# Altium PCB relay_matrix.PcbDoc (part 3 of 5)
Units mm, origin at the board's own origin, x right, y up, seen from the top; angles counter-clockwise.
Board outline 330 x 220 mm, 2 copper layers (Top Layer, Bottom Layer); 560 components, 391 nets, 2127 pads, 727 vias.
Unrouted connection lines stored in the file: 345.
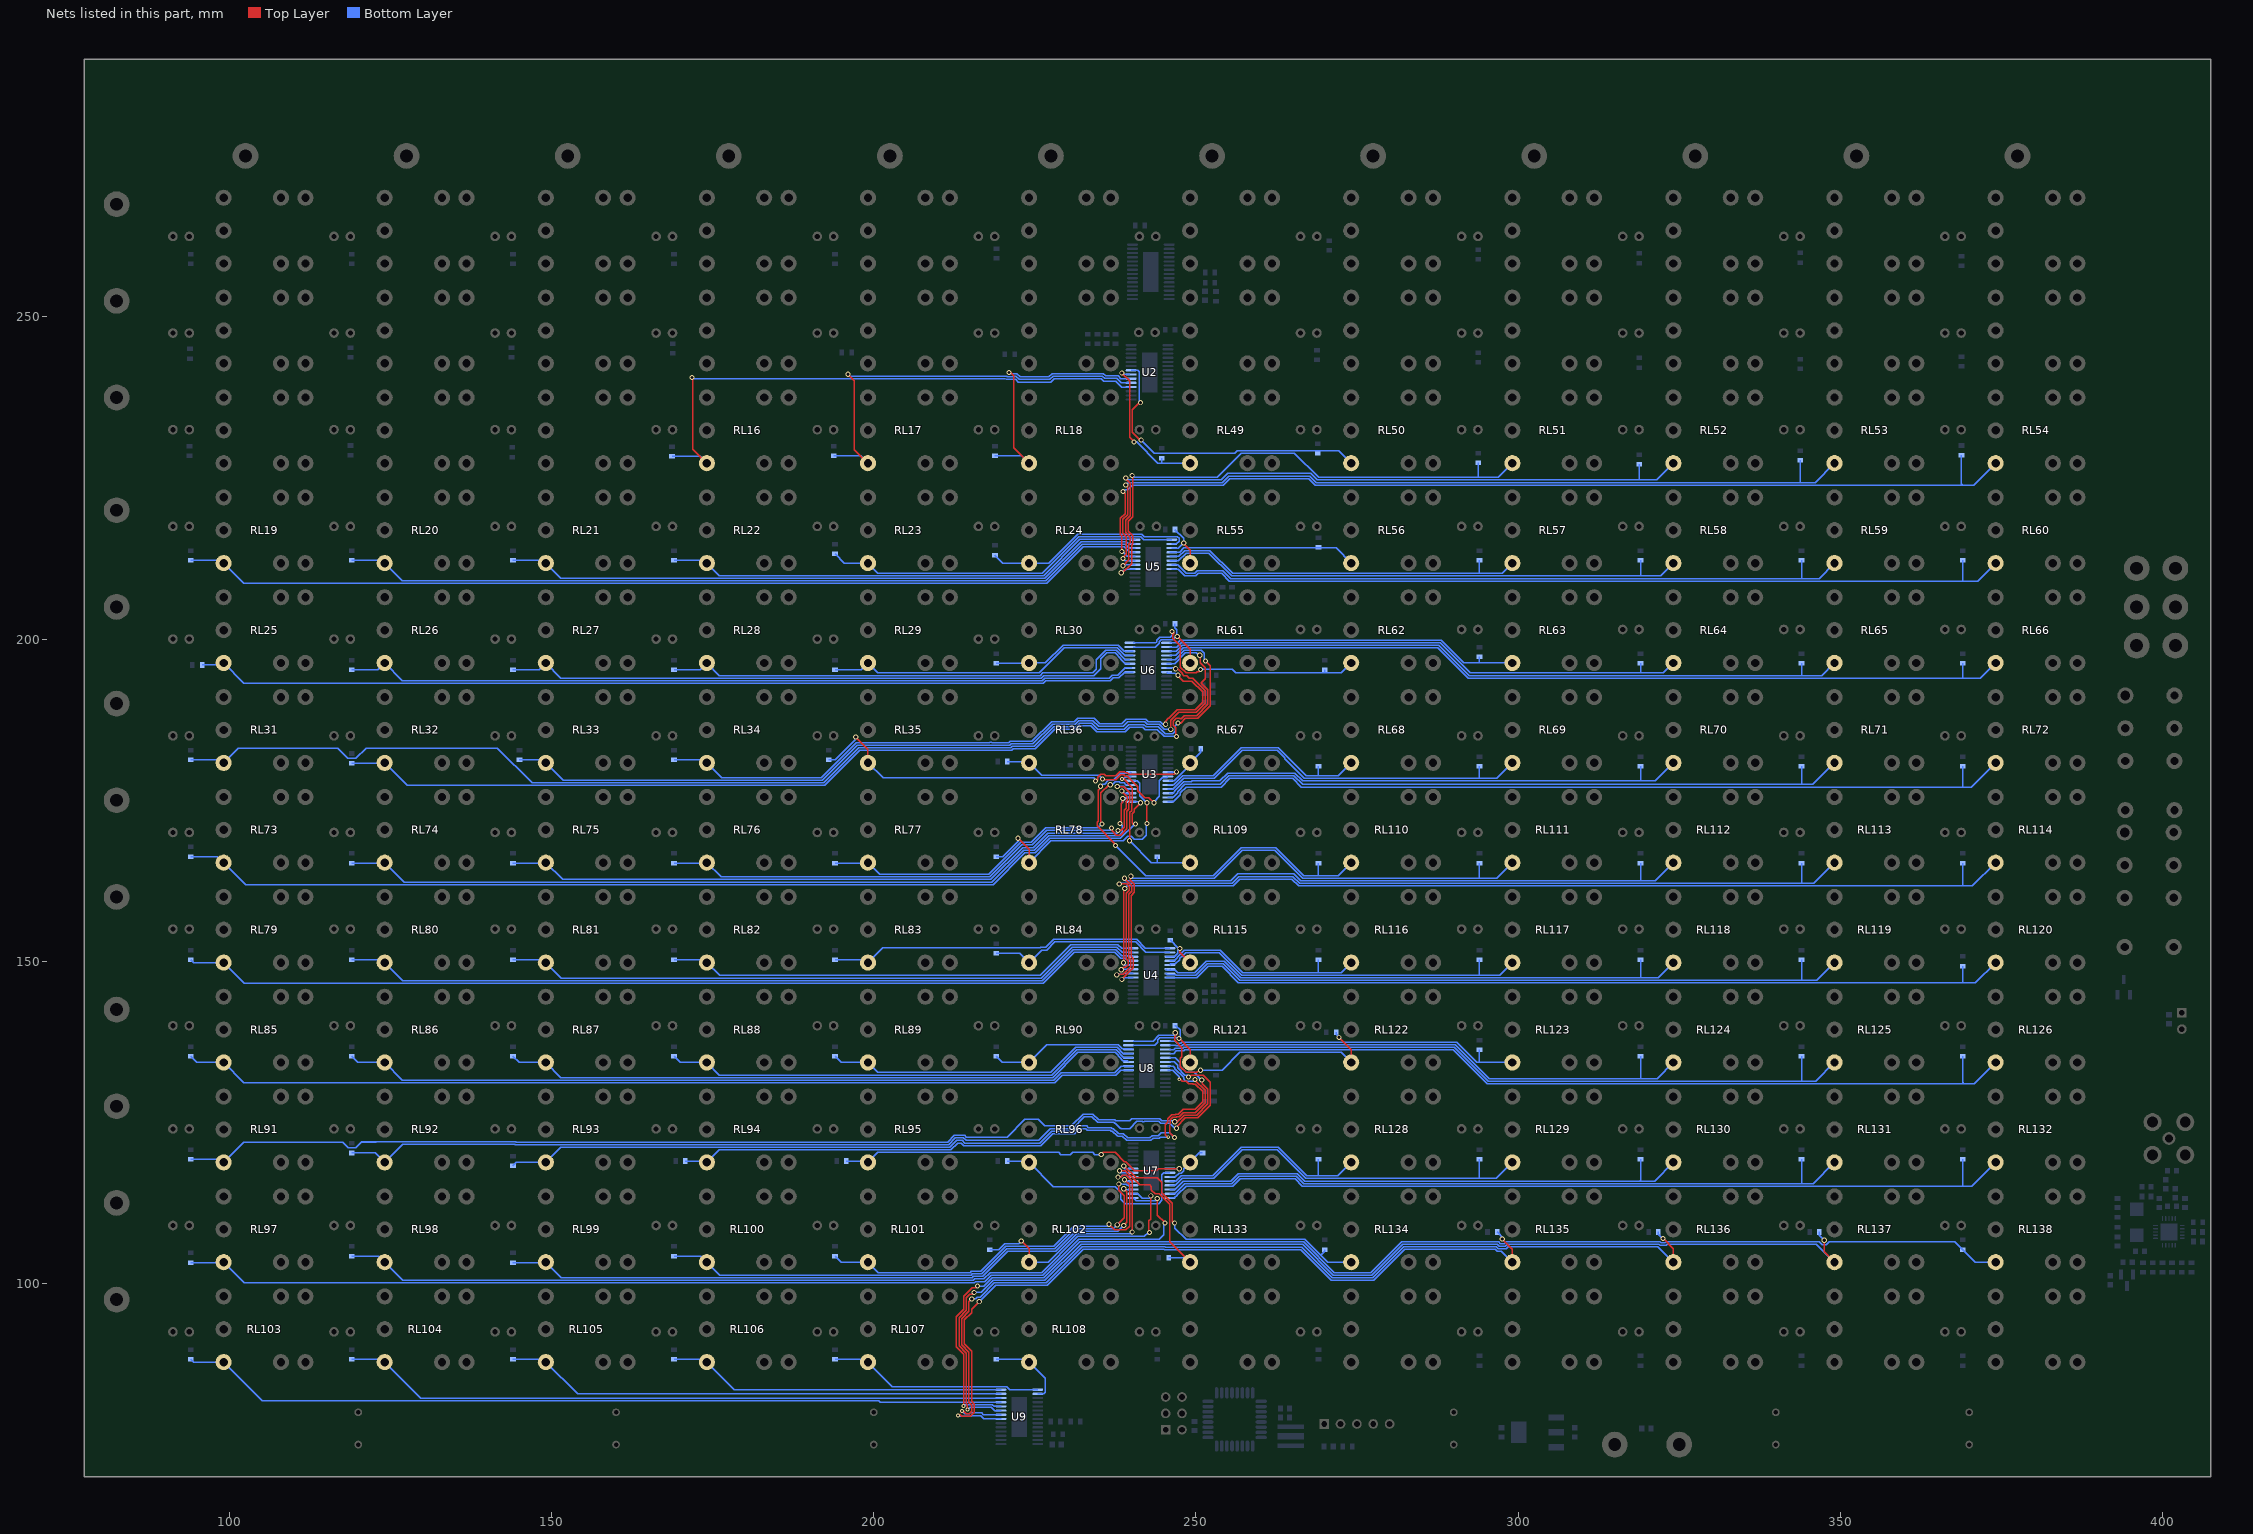
[diagram p3: the nets of this part, all layers, seen from the top]

## Via types
v1: diameter 0.8, hole 0.5, Top Layer to Bottom Layer, tented both sides, 222 vias
v2: diameter 0.8, hole 0.5, Top Layer to Bottom Layer, 209 vias
v3: diameter 0.6, hole 0.3, Top Layer to Bottom Layer, 179 vias
v4: diameter 0.5, hole 0.3, Top Layer to Bottom Layer, 108 vias
v5: diameter 7, hole 5, Top Layer to Bottom Layer, 6 vias
v6: diameter 1.5, hole 1, Top Layer to Bottom Layer, 3 vias

## Nets (pads, with @x,y where several pads share a name; then routed paths per layer and width w, separated by ;. In a path a pad name is that pad's centre, name@x,y a point inside that pad or via, vN(x,y) a via of type N, cw(c..) or ccw(c..) an arc to the next point about the centre after c; other vN are vias at no path point) (continued)
CONTROL_27: R16.1 RL16.3 U2.18 | length 89.5
  Top Layer w0.2: v2(171.8,240.6) 171.9,240.7 171.9,229.5 RL16.3@174.1,227.3
  Bottom Layer w0.2: R16.1@168.7,228.35 173.05,228.35 RL16.3@174.1,227.3 ; v2(171.8,240.6) 171.9,240.7 v2(171.8,240.6) 172,240.4 220.443,240.4 220.544,240.3 221.997,240.3 222.397,239.9 227.503,239.9 228.003,240.4 235.311,240.4 235.661,240.05 237.573,240.05 238.498,239.125 U2.18@239.75,239.125
CONTROL_28: R17.1 RL17.3 U2.19 | length 65.7
  Top Layer w0.2: v2(196,241.1) 197,240.1 197,229.4 RL17.3@199.1,227.3
  Bottom Layer w0.2: R17.1@193.8,228.45 197.95,228.45 RL17.3@199.1,227.3 ; v2(196,241.1) 196.3,240.8 220.609,240.8 220.71,240.7 221.79,240.7 221.89,240.8 222.063,240.8 222.563,240.3 227.337,240.3 227.837,240.8 235.477,240.8 235.827,240.45 237.739,240.45 238.414,239.775 U2.19@239.75,239.775
CONTROL_29: R18.1 RL18.3 U2.20 | length 41.1
  Top Layer w0.2: v2(221,241.4) 221.1,241.5 221.7,240.9 221.7,229.7 RL18.3@224.1,227.3
  Bottom Layer w0.2: R18.1@218.8,228.45 222.95,228.45 RL18.3@224.1,227.3 ; v2@221.1,241.5 v2(221,241.4) 221.199,241.2 222.228,241.2 222.728,240.7 227.172,240.7 227.672,241.2 235.642,241.2 235.992,240.85 237.905,240.85 238.33,240.425 U2.20@239.75,240.425
CONTROL_30: R49.1 RL49.3 U2.21 | length 23.7
  Top Layer w0.2: v2@238.5,241.3 239.7,240.1 239.7,231.3 v2(240.4,230.6)
  Bottom Layer w0.2: v2(238.5,241.3) 238.725,241.075 U2.21@239.75,241.075 ; v2(240.4,230.6) 240.81,230.6 244.11,227.3 244.7,227.3 ; R49.1@244.7,228.1 244.7,227.3 ; RL49.3@249.1,227.3 244.7,227.3
CONTROL_31: R50.1 RL50.3 U2.22 | length 47.6
  Top Layer w0.2: v2@241.2,236.7 240.1,235.6 240.1,232.145 241.345,230.9 v2(241.5,230.9)
  Bottom Layer w0.2: U2.22@239.95,241.725 240.975,241.725 241.2,241.5 v2@241.2,236.7 ; v2(241.5,230.9) 243.55,228.85 ; 243.7,228.85 243.55,228.85 ; RL50.3@274.1,227.3 272.15,229.25 256.45,229.25 256.05,228.85 243.55,228.85
  other v2: 241.4,236.7
CONTROL_32: R51.1 RL51.3 U5.7 | length 84.4
  Top Layer w0.2: v2(238.4,210.3) 238.59,210.3 240,211.71 240,214.608 240.2,214.808 240.2,216.014 239.48,216.734 239.48,218.266 240.2,218.986 240.2,225.3 v2(240.1,225.4)
  Bottom Layer w0.2: v2(238.4,210.3) 238.8,210.7 239,210.7 239.175,210.875 U5.7@240.55,210.875 ; v2(240.1,225.4) 240.4,225.1 253.3,225.1 257.05,228.85 265.278,228.85 269.028,225.1 293.8,225.1 ; R51.1@293.8,227.35 293.8,225.1 ; RL51.3@299.1,227.3 296.9,225.1 293.8,225.1
CONTROL_33: R52.1 RL52.3 U5.8 | length 106.3
  Top Layer w0.2: v2(238.7,211.4) 239.6,212.3 239.6,214.774 239.8,214.974 239.8,215.848 239.08,216.568 239.08,218.432 239.8,219.152 239.8,224.19 239.1,224.89 v2(239.1,225)
  Bottom Layer w0.2: v2(238.7,211.4) 238.825,211.525 U5.8@240.55,211.525 ; v2(239.1,225) 239.399,224.7 253.919,224.7 254.933,225.714 267.849,225.714 268.863,224.7 318.8,224.7 ; R52.1@318.8,227.15 318.8,224.7 ; RL52.3@324.1,227.3 321.5,224.7 318.8,224.7
CONTROL_34: R53.1 RL53.3 U5.9 | length 130
  Top Layer w0.2: v2(238.7,212.5) 238.7,212.71 239.2,213.21 239.2,215.882 238.68,216.402 238.68,218.598 239.4,219.318 239.4,223.7 239.2,223.9 v2(239.1,223.9)
  Bottom Layer w0.2: v2(238.7,212.5) 239.025,212.175 U5.9@240.55,212.175 ; v2(239.1,223.9) 239.5,224.3 254.085,224.3 255.099,225.314 267.683,225.314 268.697,224.3 343.8,224.3 ; R53.1@343.8,227.75 343.8,224.3 ; RL53.3@349.1,227.3 346.1,224.3 343.8,224.3
CONTROL_35: R54.1 RL54.3 U5.10 | length 155
  Top Layer w0.2: v2(238.5,213.6) 238.5,216.017 238.28,216.237 238.28,218.763 239,219.483 239,222.599 v2(238.7,222.9)
  Bottom Layer w0.2: v2(238.5,213.6) 238.6,213.6 239.375,212.825 U5.10@240.55,212.825 ; v2(238.7,222.9) 239,223.2 239.39,223.2 240.09,223.9 240.6,223.9 243.5,223.9 254.25,223.9 255.264,224.914 267.517,224.914 268.531,223.9 369,223.9 ; R54.1@368.8,228.55 368.8,224.1 369,223.9 ; RL54.3@374.1,227.3 370.7,223.9 369,223.9
CONTROL_36: R19.1 RL19.3 U5.11 | length 150.7
  Bottom Layer w0.2: R19.1@94,212.25 98.65,212.25 RL19.3@99.1,211.8 102.25,208.65 226.847,208.65 232.497,214.3 238.89,214.3 239.715,213.475 U5.11@240.55,213.475
CONTROL_37: R20.1 RL20.3 U5.12 | length 125.5
  Bottom Layer w0.2: R20.1@119,212.25 123.65,212.25 RL20.3@124.1,211.8 126.85,209.05 226.681,209.05 232.331,214.7 239.056,214.7 239.631,214.125 U5.12@240.55,214.125
CONTROL_38: R21.1 RL21.3 U5.13 | length 100.2
  Bottom Layer w0.2: R21.1@144,212.25 148.65,212.25 RL21.3@149.1,211.8 151.45,209.45 226.516,209.45 232.166,215.1 239.221,215.1 239.546,214.775 U5.13@240.55,214.775
CONTROL_39: R22.1 RL22.3 U5.14 | length 74.9
  Bottom Layer w0.2: R22.1@169,212.25 173.65,212.25 RL22.3@174.1,211.8 176.05,209.85 226.35,209.85 232,215.5 240.475,215.5 U5.14@240.55,215.425
CONTROL_40: R23.1 RL23.3 U5.15 | length 56
  Bottom Layer w0.2: R23.1@194,213.25 195.45,211.8 RL23.3@199.1,211.8 200.65,210.25 226.184,210.25 231.834,215.9 241.422,215.9 241.897,215.425 U5.15@246.25,215.425
CONTROL_41: R24.1 RL24.3 U5.16 | length 33
  Bottom Layer w0.2: R24.1@218.8,213.05 220.05,211.8 RL24.3@224.1,211.8 227.169,211.8 231.669,216.3 241.587,216.3 241.987,215.9 247.122,215.9 247.4,215.622 247.4,215.4 247.4,215.228 247.3,215.128 247.3,215.1 246.975,214.775 U5.16@246.25,214.775
CONTROL_42: R55.1 RL55.3 U5.17 | length 8.3
  Top Layer w0.2: v2(248.1,214.9) 248.1,214.8 249.1,213.799 RL55.3@249.1,211.8
  Bottom Layer w0.2: U5.17@246.25,214.125 247.225,214.125 248,214.9 v2(248.1,214.9) 248.1,215.65 R55.1@246.75,217
CONTROL_43: R56.1 RL56.3 U5.18 | length 29.4
  Bottom Layer w0.2: U5.18@245.95,213.475 247.452,213.475 248.127,214.15 271.75,214.15 RL56.3@274.1,211.8
CONTROL_44: R57.1 RL57.3 U5.19 | length 57.7
  Bottom Layer w0.2: U5.19@245.95,212.825 247.367,212.825 248.292,213.75 252.15,213.75 255.7,210.2 294,210.2 ; R57.1@294,212.25 294,210.2 ; RL57.3@299.1,211.8 297.5,210.2 294,210.2
CONTROL_45: R58.1 RL58.3 U5.20 | length 83.4
  Bottom Layer w0.2: U5.20@245.95,212.175 247.283,212.175 248.458,213.35 251.984,213.35 255.534,209.8 319,209.8 ; R58.1@319,212.25 319,209.8 ; RL58.3@324.1,211.8 322.1,209.8 319,209.8
CONTROL_46: R59.1 RL59.3 U5.21 | length 107.9
  Bottom Layer w0.2: U5.21@246.25,211.525 247.183,211.525 248.458,210.25 249.829,210.25 250.178,210.6 254.169,210.6 255.369,209.4 344.1,209.4 ; R59.1@344,212.25 344,209.5 344.1,209.4 ; RL59.3@349.1,211.8 346.7,209.4 344.1,209.4
CONTROL_47: R60.1 RL60.3 U5.22 | length 133.4
  Bottom Layer w0.2: U5.22@246.25,210.875 247.267,210.875 248.292,209.85 249.994,209.85 250.344,210.2 254.003,210.2 255.203,209 369.1,209 ; R60.1@369,212.25 369,209.1 369.1,209 ; RL60.3@374.1,211.8 371.3,209 369.1,209
CONTROL_48: R25.1 RL25.3 U6.7 | length 146.6
  Bottom Layer w0.2: R25.1@95.75,196 98.8,196 RL25.3@99.1,196.3 102.25,193.15 226.313,193.15 226.713,193.55 236.736,193.55 237.185,194 238.051,194 238.926,194.875 U6.7@240.25,194.875
CONTROL_49: R26.1 RL26.3 U6.8 | length 123.4
  Bottom Layer w0.2: R26.1@119,195.25 123.05,195.25 RL26.3@124.1,196.3 126.85,193.55 226.147,193.55 226.547,193.95 236.57,193.95 237.02,194.4 237.885,194.4 239.011,195.525 U6.8@240.05,195.525
CONTROL_50: R27.1 RL27.3 U6.9 | length 100.4
  Bottom Layer w0.2: R27.1@144,195.25 148.05,195.25 RL27.3@149.1,196.3 151.45,193.95 225.981,193.95 226.381,194.35 234.166,194.35 235.25,195.434 235.25,196.942 236.158,197.85 237.442,197.85 238.35,196.942 238.35,196.878 239.053,196.175 U6.9@239.75,196.175
CONTROL_51: R28.1 RL28.3 U6.10 | length 75.1
  Bottom Layer w0.2: R28.1@169,195.25 173.05,195.25 RL28.3@174.1,196.3 176.05,194.35 225.816,194.35 226.216,194.75 234,194.75 234.55,195.3 234.55,196.808 235.992,198.25 237.608,198.25 239.033,196.825 U6.10@239.75,196.825
CONTROL_52: R29.1 RL29.3 U6.11 | length 49.4
  Bottom Layer w0.2: R29.1@194,195.25 198.05,195.25 RL29.3@199.1,196.3 200.65,194.75 225.65,194.75 229.55,198.65 237.773,198.65 238.948,197.475 U6.11@240.25,197.475
CONTROL_53: R30.1 RL30.3 U6.12 | length 22.8
  Bottom Layer w0.2: R30.1@219,196.25 224.05,196.25 RL30.3@224.1,196.3 226.634,196.3 229.384,199.05 237.939,199.05 238.864,198.125 U6.12@240.25,198.125
CONTROL_54: R61.1 RL61.3 U6.13 | length 14.7
  Top Layer w0.2: v2@247.3,200.2 249.1,198.399 RL61.3@249.1,196.3
  Bottom Layer w0.2: U6.13@240.25,198.775 243.7,198.775 244.3,199.375 244.3,199.622 244.578,199.9 246.4,199.9 v2@247,200.5 ; R61.1@246.75,202.4 246.75,201.74 247,201.49 v2@247,200.5 ; v2@247,200.499 v2(247.1,200.4) 247.1,200.6 v2@247,200.5
CONTROL_55: R62.1 RL62.3 U6.14 | length 42.1
  Top Layer w0.2: v2(246.3,201.2) 246.6,200.9 246.6,200.89 246.4,200.69 246.4,200.11 247.55,198.959 247.55,195.658 248.458,194.75 250.06,194.75 250.21,194.9 250.4,194.9 250.716,195.216 v2(250.716,195.3)
  Bottom Layer w0.2: U6.14@240.25,199.425 243.784,199.425 243.9,199.541 243.9,199.787 244.413,200.3 246,200.3 246.3,200.6 v2(246.3,201.2) ; v2(250.716,195.3) 255.65,195.3 256.2,194.75 270.1,194.75 ; R62.1@270,195.25 270,194.85 270.1,194.75 ; RL62.3@274.1,196.3 272.55,194.75 270.1,194.75
CONTROL_56: R63.1 RL63.3 U6.15 | length 55.6
  Bottom Layer w0.2: U6.15@245.95,199.425 245.975,199.45 247.14,199.45 247.54,199.85 288.047,199.85 291.597,196.3 RL63.3@299.1,196.3 ; 294,196.4 R63.1@294,197.25
CONTROL_57: R64.1 RL64.3 U6.16 | length 82.6
  Bottom Layer w0.2: U6.16@245.95,198.775 247.031,198.775 247.706,199.45 287.881,199.45 292.581,194.75 319.1,194.75 ; R64.1@319,196.25 319,194.85 319.1,194.75 ; RL64.3@324.1,196.3 322.55,194.75 319.1,194.75
CONTROL_58: R65.1 RL65.3 U6.17 | length 108.2
  Bottom Layer w0.2: U6.17@245.95,198.125 246.946,198.125 247.871,199.05 287.716,199.05 292.416,194.35 344,194.35 347.15,194.35 RL65.3@349.1,196.3 ; 344,194.35 R65.1@344,196.25
CONTROL_59: R66.1 RL66.3 U6.18 | length 133.9
  Bottom Layer w0.2: U6.18@245.95,197.475 246.862,197.475 248.037,198.65 287.55,198.65 292.25,193.95 368.9,193.95 ; R66.1@369,196.25 369,194.05 368.9,193.95 ; RL66.3@374.1,196.3 371.75,193.95 368.9,193.95
CONTROL_60: R31.1 RL31.3 U6.19 | length 185.6
  Top Layer w0.2: v2(247.2,187) 247.2,186.969 247.18,186.95 247.604,186.95 248.354,187.7 250.255,187.7 252.25,189.695 252.25,195.849 v2(251.499,196.6)
  Bottom Layer w0.2: R31.1@94,181.25 98.65,181.25 RL31.3@99.1,180.8 101.4,183.1 116.8,183.1 118.4,181.5 119.6,181.5 121.2,183.1 141.6,183.1 147,177.7 192.234,177.7 197.684,183.15 221.277,183.15 221.477,183.35 224.873,183.35 227.923,186.4 231.427,186.4 231.977,186.95 233.85,186.95 234.75,186.05 238.85,186.05 239.55,186.75 241.913,186.75 242.263,186.4 244.121,186.4 245.221,185.3 246.39,185.3 246.8,185.71 246.8,186.59 247.16,186.95 247.18,186.95 247.2,186.969 v2(247.2,187) ; U6.19@245.45,196.825 246.778,196.825 248.203,198.25 250.839,198.25 251.299,197.79 251.299,196.8 v2(251.499,196.6)
CONTROL_61: R32.1 RL32.3 U6.20 | length 158.4
  Top Layer w0.2: v2(247,184.9) 247.1,184.9 246.87,185.129 246.87,186.27 246.48,186.66 246.48,187.27 246.91,187.7 247.489,187.7 247.539,187.65 247.739,187.65 248.189,188.1 250.089,188.1 251.85,189.861 251.85,192.139 250.8,193.189 250.8,193.2 251.416,193.816 251.416,195.59 250.65,196.355 250.65,197.449 v2(250.599,197.5)
  Bottom Layer w0.2: R32.1@119,180.75 124.05,180.75 RL32.3@124.1,180.8 127.6,177.3 192.4,177.3 197.85,182.75 221.443,182.75 221.643,182.95 225.039,182.95 228.089,186 231.593,186 232.143,186.55 233.684,186.55 234.584,185.65 239.016,185.65 239.716,186.35 241.747,186.35 242.147,185.95 244.005,185.95 245.055,184.9 v2(247,184.9) ; U6.20@245.45,196.175 246.693,196.175 248.368,197.85 250.05,197.85 250.4,197.5 v2(250.599,197.5)
CONTROL_62: R33.1 RL33.3 U6.21 | length 124.9
  Top Layer w0.2: v2@245.9,186.1 246,186 v2(246.1,186) ; v2@245.95,186.15 246.08,186.28 246.08,187.436 247.294,188.65 250.073,188.65 251.45,190.027 251.45,191.973 249.524,193.9 248.99,193.9 248.54,194.35 248.14,194.35 247.9,194.59 247.9,194.69 247.189,195.4 v2(246.85,195.4)
  Bottom Layer w0.2: R33.1@145,181.25 148.65,181.25 RL33.3@149.1,180.8 151.8,178.1 192,178.1 197.45,183.55 218.129,183.55 218.149,183.57 218.169,183.55 221.112,183.55 221.312,183.75 224.708,183.75 227.758,186.8 231.262,186.8 231.812,187.35 234.015,187.35 234.915,186.45 238.685,186.45 239.385,187.15 242.078,187.15 242.428,186.8 244.286,186.8 245.086,186 v2(246.1,186) ; U6.21@245.45,195.525 246.725,195.525 v2(246.85,195.4)
CONTROL_63: R34.1 RL34.3 U6.22 | length 98.1
  Top Layer w0.2: v2(245.3,186.8) 245.2,186.9 245.2,187.165 245.734,187.7 245.779,187.7 247.129,189.05 249.908,189.05 251.05,190.192 251.05,191.808 249.358,193.5 248,193.5 v2@247.4,194.1
  Bottom Layer w0.2: R34.1@169,181.25 173.65,181.25 RL34.3@174.1,180.8 176.4,178.5 191.834,178.5 197.284,183.95 217.963,183.95 217.983,183.97 218.315,183.97 218.335,183.95 220.946,183.95 221.146,184.15 224.542,184.15 227.592,187.2 231.096,187.2 231.646,187.75 234.181,187.75 235.081,186.85 238.519,186.85 239.219,187.55 242.244,187.55 242.594,187.2 244.452,187.2 244.852,186.8 v2(245.3,186.8) ; U6.22@245.45,194.875 245.625,194.7 246.8,194.7 ; v2@246.9,194.6 246.999,194.6 v2(247.2,194.4) ; v2@247.15,194.35 v2@247.4,194.1
CONTROL_64: R35.1 RL35.3 U3.7 | length 62.3
  Top Layer w0.2: v2(197.2,184.8) 199.1,182.899 RL35.3@199.1,180.8 ; v2(234.4,178) 234.499,177.9 234.8,178.2 234.8,178.59 235.21,179 235.789,179 235.989,178.8 237.578,178.8 238.166,179.388 238.956,179.388 239.044,179.3 239.355,179.3 239.655,179 246.6,179 246.995,179.395 v2(246.995,179.405)
  Bottom Layer w0.2: R35.1@193,181.25 194.019,181.25 197.119,184.35 ; v2(197.2,184.8) v2@197.3,184.699 ; RL35.3@199.1,180.8 201.45,178.45 234.15,178.45 234.4,178.2 v2(234.4,178) ; U3.7@245.65,179.325 246.915,179.325 v2(246.995,179.405)
CONTROL_65: R36.1 RL36.3 U3.8 | length 31.8
  Top Layer w0.2: v2(235.5,178.3) 235.599,178.2 237.544,178.2 238.331,178.988 238.79,178.988 239.044,178.734 239.355,178.734 241,177.089 241,176.454 242.054,175.4 242.7,175.4 v2(243.5,174.6)
  Bottom Layer w0.2: R36.1@220.75,181 223.9,181 RL36.3@224.1,180.8 226.05,178.85 234.949,178.85 v2(235.5,178.3) ; v2(243.5,174.6) 243.5,174.8 244.3,175.6 244.3,178.022 244.778,178.5 245.475,178.5 U3.8@245.65,178.675
CONTROL_66: R67.1 RL67.3 U3.9 | length 7.5
  Bottom Layer w0.2: U3.9@245.85,178.025 246.605,178.025 247.63,179.05 247.7,179.12 247.78,179.2 247.8,179.2 249.1,180.5 RL67.3@249.1,180.8 250.75,182.45 R67.1@250.75,183
CONTROL_67: R68.1 RL68.3 U3.10 | length 34.9
  Bottom Layer w0.2: U3.10@245.65,177.375 246.52,177.375 247.795,178.65 247.806,178.65 247.956,178.8 252.677,178.8 257.027,183.15 262.773,183.15 267.123,178.8 269,178.8 ; R68.1@269,180.25 269,178.8 ; RL68.3@274.1,180.8 272.1,178.8 269,178.8
CONTROL_68: R69.1 RL69.3 U3.11 | length 62.2
  Bottom Layer w0.2: U3.11@245.65,176.725 246.436,176.725 247.961,178.25 247.971,178.25 248.121,178.4 252.842,178.4 257.192,182.75 262.608,182.75 263.75,181.608 263.75,181.434 263.984,181.2 264,181.2 266.8,178.4 ; 268.3,178.4 266.8,178.4 ; R69.1@294,180.25 294,178.4 ; RL69.3@299.1,180.8 296.7,178.4 294,178.4 ; 266.8,178.4 294,178.4
CONTROL_69: R70.1 RL70.3 U3.12 | length 84.1
  Bottom Layer w0.2: U3.12@245.85,176.075 246.447,176.075 246.75,176.378 246.75,176.473 248.127,177.85 249.25,177.85 249.4,178 ; 250,178 249.4,178 ; R70.1@319,180.25 319,178 ; RL70.3@324.1,180.8 321.3,178 319,178 ; 249.4,178 253.719,178 254.933,179.214 265.349,179.214 266.563,178 319,178
CONTROL_70: R71.1 RL71.3 U3.13 | length 109.8
  Bottom Layer w0.2: U3.13@245.65,175.425 246.447,175.425 247.15,176.128 247.15,176.308 248.292,177.45 253.735,177.45 255.099,178.814 265.183,178.814 266.547,177.45 343.9,177.45 ; R71.1@344,180.25 344,177.55 343.9,177.45 ; RL71.3@349.1,180.8 345.75,177.45 343.9,177.45
CONTROL_71: R72.1 RL72.3 U3.14 | length 135.4
  Bottom Layer w0.2: U3.14@245.65,174.775 246.447,174.775 247.55,175.878 247.55,176.142 248.458,177.05 253.9,177.05 255.264,178.414 265.017,178.414 266.381,177.05 369,177.05 ; R72.1@369,180.25 369,177.05 ; RL72.3@374.1,180.8 370.35,177.05 369,177.05
CONTROL_72: R73.1 RL73.3 U3.15 | length 158
  Top Layer w0.2: v2(240.6,171.3) 240.3,171.3 240.1,171.499 240.1,172.934 240.4,173.234 240.4,173.6 v2(241.4,174.6)
  Bottom Layer w0.2: R73.1@94,166.25 98.15,166.25 RL73.3@99.1,165.3 102.5,161.9 212.5,161.9 218.508,161.9 223.458,166.85 225.084,166.85 227.334,169.1 238.279,169.1 240.479,171.3 v2(240.6,171.3) ; U3.15@239.95,174.775 241.225,174.775 v2(241.4,174.6)
CONTROL_73: R74.1 RL74.3 U3.16 | length 132.2
  Top Layer w0.2: v2(238.2,171.4) 238.4,171.6 238.4,174.483 238.65,174.734 v2(238.65,175.246)
  Bottom Layer w0.2: R74.1@119,165.25 124.05,165.25 RL74.3@124.1,165.3 127.1,162.3 218.342,162.3 223.292,167.25 224.919,167.25 227.169,169.5 238.09,169.5 238.6,170.01 238.6,170.999 v2(238.2,171.4) ; v2(238.65,175.246) 238.65,174.734 238.5,174.584 238.5,174.672 239.253,175.425 U3.16@239.95,175.425
CONTROL_74: R75.1 RL75.3 U3.17 | length 107.3
  Top Layer w0.2: v2(237.9,170.3) 238.39,170.3 238.9,170.81 238.9,173.431 239.2,173.731 239.2,174.806 239.35,174.956 239.35,175.566 v2(238.5,176.416)
  Bottom Layer w0.2: R75.1@144,165.25 149.05,165.25 RL75.3@149.1,165.3 151.7,162.7 218.177,162.7 223.127,167.65 224.753,167.65 227.003,169.9 234,169.9 237.7,169.9 238,170.2 v2(237.9,170.3) ; v2(238.5,176.416) 238.841,176.075 U3.17@239.95,176.075
CONTROL_75: R76.1 RL76.3 U3.18 | length 86.3
  Top Layer w0.2: v2(236.9,170.7) 236.9,170.3 237.6,169.6 238.3,169.6 239.3,170.6 239.3,173.266 239.6,173.566 239.6,174.64 239.75,174.79 239.75,176.156 238.79,177.116 237.883,177.116 237.8,177.2 v2(237.8,177.15)
  Bottom Layer w0.2: R76.1@169,165.25 174.05,165.25 RL76.3@174.1,165.3 176.3,163.1 218.011,163.1 222.961,168.05 224.587,168.05 226.837,170.3 236.7,170.3 237,170.6 v2(236.9,170.7) ; v2(237.8,177.15) v2@237.8,177.2 ; v2@237.8,177.2 238.778,177.2 239.253,176.725 U3.18@239.95,176.725
CONTROL_76: R77.1 RL77.3 U3.19 | length 55.9
  Top Layer w0.2: v2(235.4,171.3) 235.25,171.45 235.25,176.142 236.508,177.4 v2(236.7,177.4)
  Bottom Layer w0.2: R77.1@194,165.25 199.05,165.25 RL77.3@199.1,165.3 200.9,163.5 217.845,163.5 222.795,168.45 224.422,168.45 226.672,170.7 234.8,170.7 v2(235.4,171.3) ; v2(236.7,177.4) 237.01,177.4 237.46,177.85 238.089,177.85 238.262,177.677 238.867,177.677 239.144,177.4 239.925,177.4 U3.19@239.95,177.375
CONTROL_77: R78.1 RL78.3 U3.20 | length 39.9
  Top Layer w0.2: v2(222.4,169.1) 224.1,167.399 RL78.3@224.1,165.3 ; v2(242.4,171.4) v2(242.4,174.6)
  Bottom Layer w0.2: R78.1@219,166.25 220.03,166.25 222.6,168.82 222.6,168.899 v2(222.4,169.1) ; RL78.3@224.1,165.3 227.5,168.7 238.71,168.7 239.41,169.4 239.99,169.4 240.44,168.95 241.665,168.95 242.28,169.565 242.28,171.28 v2(242.4,171.4) ; U3.20@239.95,178.025 240.875,178.025 241.3,177.6 241.3,175.7 v2(242.4,174.6)
CONTROL_78: R109.1 RL109.3 U3.21 | length 24.3
  Top Layer w0.2: v3@238.627,178.473 240.15,176.949 240.15,174.625 240,174.475 240,173.4 239.7,173.1 v2(239.7,168.7)
  Bottom Layer w0.2: v3@238.542,178.388 238.5,178.346 238.5,178.1 239.075,178.675 U3.21@239.95,178.675 ; v2(239.7,168.7) 243.1,165.3 244,165.3 ; R109.1@244,166.25 244,165.3 ; RL109.3@249.1,165.3 244,165.3
  other v3: 238.5,178.3
CONTROL_79: R110.1 RL110.3 U3.22 | length 61.2
  Top Layer w0.2: v2(235.175,177.175) 235.175,176.865 234.85,176.54 234.85,171.74 234.7,171.59 234.7,171.01 237.51,168.2 v2(237.51,167.99)
  Bottom Layer w0.2: v2(235.175,177.175) 235.5,177.5 235.81,177.5 236.41,178.1 237.144,178.1 237.644,178.6 237.71,178.6 238.31,179.2 239.825,179.2 U3.22@239.95,179.325 ; v2(237.51,167.99) 242.2,163.3 252.677,163.3 257.027,167.65 262.366,167.65 266.716,163.3 268.9,163.3 ; R110.1@269,165.25 269,163.4 268.9,163.3 ; RL110.3@274.1,165.3 272.1,163.3 268.9,163.3
CONTROL_80: R111.1 RL111.3 U4.7 | length 85.8
  Top Layer w0.2: v2(238.5,147.2) 240.275,148.975 240.275,150.396 239.975,150.696 239.975,160.204 240.45,160.679 240.45,161.921 239.8,162.571 239.8,163.1 v2(239.9,163.2)
  Bottom Layer w0.2: v2(238.5,147.2) 238.5,147.3 238.675,147.475 U4.7@240.25,147.475 ; v2(239.9,163.2) 240.2,162.9 252.842,162.9 257.192,167.25 262.2,167.25 266.55,162.9 ; 266.8,162.9 266.55,162.9 ; R111.1@294,165.25 294,162.9 ; RL111.3@299.1,165.3 296.7,162.9 294,162.9 ; 266.55,162.9 294,162.9
CONTROL_81: R112.1 RL112.3 U4.8 | length 110.2
  Top Layer w0.2: v2(237.7,147.9) 237.8,148 238.689,148 239.875,149.185 239.875,150.231 239.575,150.531 239.575,160.369 240.05,160.844 240.05,161.756 238.906,162.9 v2(238.9,162.9)
  Bottom Layer w0.2: v2(237.7,147.9) 237.8,148 238.109,148 238.689,148 238.815,148.125 U4.8@240.25,148.125 ; v2(238.9,162.9) 238.9,162.6 239,162.5 255.437,162.5 256.487,163.55 265.213,163.55 266.263,162.5 319,162.5 ; R112.1@319,165.25 319,162.5 ; RL112.3@324.1,165.3 321.3,162.5 319,162.5
CONTROL_82: R113.1 RL113.3 U4.9 | length 133.8
  Top Layer w0.2: v2(238.1,162) 239.24,162 239.65,161.59 239.65,161.01 239.175,160.535 239.175,150.365 239.475,150.065 239.475,149.485 239.065,149.075 238.775,149.075 v2(238.4,148.7)
  Bottom Layer w0.2: v2(238.1,162) 238.2,162.1 255.603,162.1 256.653,163.15 265.047,163.15 266.097,162.1 344,162.1 ; v2(238.4,148.7) 238.4,148.75 238.425,148.775 U4.9@240.25,148.775 ; R113.1@344,165.25 344,162.1 ; RL113.3@349.1,165.3 345.9,162.1 344,162.1
CONTROL_83: R114.1 RL114.3 U4.10 | length 155
  Top Layer w0.2: v2(238.775,149.775) 238.775,161.475 v2(238.95,161.3)
  Bottom Layer w0.2: v2(238.775,149.775) 238.775,149.425 U4.10@240.25,149.425 ; v2(238.95,161.3) 239.35,161.7 255.769,161.7 256.819,162.75 264.881,162.75 265.931,161.7 369,161.7 ; R114.1@369,165.25 369,161.7 ; RL114.3@374.1,165.3 370.5,161.7 369,161.7
CONTROL_84: R79.1 RL79.3 U4.11 | length 150.3
  Bottom Layer w0.2: R79.1@94,150.25 94.45,149.8 RL79.3@99.1,149.8 102.3,146.6 226.297,146.6 231.097,151.4 237.392,151.4 238.317,150.475 239.065,150.475 239.465,150.075 U4.11@240.25,150.075
CONTROL_85: R80.1 RL80.3 U4.12 | length 125
  Bottom Layer w0.2: R80.1@119,150.25 123.65,150.25 RL80.3@124.1,149.8 126.9,147 226.131,147 230.931,151.8 237.5,151.8 237.558,151.8 238.483,150.875 240.1,150.875 U4.12@240.25,150.725
CONTROL_86: R81.1 RL81.3 U4.13 | length 99.8
  Bottom Layer w0.2: R81.1@144,150.25 148.65,150.25 RL81.3@149.1,149.8 151.5,147.4 225.966,147.4 230.766,152.2 237.734,152.2 238.559,151.375 U4.13@240.25,151.375
CONTROL_87: R82.1 RL82.3 U4.14 | length 74.5
  Bottom Layer w0.2: R82.1@169,150.25 173.65,150.25 RL82.3@174.1,149.8 176.1,147.8 225.8,147.8 230.6,152.6 237.9,152.6 238.475,152.025 U4.14@240.25,152.025
CONTROL_88: R83.1 RL83.3 U4.15 | length 54.2
  Bottom Layer w0.2: R83.1@194,150.25 198.65,150.25 RL83.3@199.1,149.8 201.4,152.1 225.834,152.1 225.884,152.15 226.681,152.15 227.931,153.4 240.787,153.4 242.162,152.025 U4.15@245.95,152.025
CONTROL_89: R84.1 RL84.3 U4.16 | length 29.5
  Bottom Layer w0.2: R84.1@219,151.25 222.65,151.25 RL84.3@224.1,149.8 226.05,151.75 226.847,151.75 228.097,153 240.622,153 242.247,151.375 U4.16@245.95,151.375
CONTROL_90: R115.1 RL115.3 U4.17 | length 7.8
  Top Layer w0.2: v2(247.5,152) 247.5,151.4 RL115.3@249.1,149.8
  Bottom Layer w0.2: U4.17@245.35,150.725 U4.17@245.95,150.725 246.647,150.725 247.2,151.278 247.2,151.7 v2(247.5,152) 247.378,152.122 247.2,152.122 246.072,153.25 R115.1@246,153.25
CONTROL_91: R116.1 RL116.3 U4.18 | length 33
  Bottom Layer w0.2: U4.18@245.95,150.075 246.647,150.075 247.1,150.528 247.1,150.613 247.787,151.3 247.79,151.3 248.2,151.71 248.2,151.713 248.237,151.75 253.763,151.75 257.263,148.25 268.9,148.25 ; R116.1@269,150.25 269,148.35 268.9,148.25 ; RL116.3@274.1,149.8 272.55,148.25 268.9,148.25
CONTROL_92: R117.1 RL117.3 U4.19 | length 58.7
  Bottom Layer w0.2: U4.19@245.95,149.425 246.125,149.6 246.822,149.6 247.5,150.278 247.5,150.447 247.953,150.9 247.956,150.9 248.406,151.35 253.597,151.35 257.097,147.85 294,147.85 ; R117.1@294,150.25 294,147.85 ; RL117.3@299.1,149.8 297.15,147.85 294,147.85
CONTROL_93: R118.1 RL118.3 U4.20 | length 84.6
  Bottom Layer w0.2: U4.20@245.35,148.775 245.525,148.6 245.95,148.6 ; U4.20@245.95,148.775 246.125,148.6 246.822,148.6 247.172,148.25 249.819,148.25 251.569,150 254.381,150 256.931,147.45 319.1,147.45 ; R118.1@319,150.25 319,147.55 319.1,147.45 ; RL118.3@324.1,149.8 321.75,147.45 319.1,147.45
CONTROL_94: R119.1 RL119.3 U4.21 | length 110
  Bottom Layer w0.2: U4.21@245.35,148.125 245.525,147.95 246.834,147.95 246.934,147.85 249.984,147.85 251.734,149.6 254.216,149.6 256.766,147.05 344,147.05 ; R119.1@344,150.25 344,147.05 ; RL119.3@349.1,149.8 346.35,147.05 344,147.05
CONTROL_95: R120.1 RL120.3 U4.22 | length 134.4
  Bottom Layer w0.2: U4.22@245.35,147.475 245.375,147.45 250.15,147.45 251.9,149.2 254.05,149.2 256.6,146.65 369,146.65 ; R120.1@369,149.25 369,146.65 ; RL120.3@374.1,149.8 370.95,146.65 369,146.65
CONTROL_96: R85.1 RL85.3 U8.7 | length 148.7
  Bottom Layer w0.2: R85.1@94,135.25 94.95,134.3 RL85.3@99.1,134.3 102.25,131.15 228.113,131.15 229.263,132.3 237.558,132.3 238.333,133.075 U8.7@240.25,133.075
CONTROL_97: R86.1 RL86.3 U8.8 | length 123.7
  Bottom Layer w0.2: R86.1@119,135.25 119.95,134.3 RL86.3@124.1,134.3 126.85,131.55 227.947,131.55 229.097,132.7 237.392,132.7 238.417,133.725 U8.8@240.25,133.725
CONTROL_98: R87.1 RL87.3 U8.9 | length 99.2
  Bottom Layer w0.2: R87.1@144,135.25 144.95,134.3 RL87.3@149.1,134.3 151.45,131.95 227.781,131.95 231.681,135.85 237.442,135.85 238.4,134.892 238.4,134.828 238.678,134.55 239.375,134.55 U8.9@239.55,134.375
CONTROL_99: R88.1 RL88.3 U8.10 | length 74.6
  Bottom Layer w0.2: R88.1@169,135.25 169.95,134.3 RL88.3@174.1,134.3 176.05,132.35 227.616,132.35 231.516,136.25 237.608,136.25 238.833,135.025 U8.10@240.25,135.025
CONTROL_100: R89.1 RL89.3 U8.11 | length 49.3
  Bottom Layer w0.2: R89.1@194,135.25 194.95,134.3 RL89.3@199.1,134.3 200.65,132.75 227.45,132.75 231.35,136.65 237.773,136.65 238.748,135.675 U8.11@240.25,135.675
CONTROL_101: R90.1 RL90.3 U8.12 | length 23.1
  Bottom Layer w0.2: R90.1@219,135.25 219.95,134.3 RL90.3@224.1,134.3 226.85,137.05 237.939,137.05 238.547,136.442 240.133,136.442 U8.12@240.25,136.325
CONTROL_102: R121.1 RL121.3 U8.13 | length 15.5
  Top Layer w0.2: v2(247.373,138.026) 249.1,136.299 RL121.3@249.1,134.3
  Bottom Layer w0.2: U8.13@240.25,136.975 243.647,136.975 244.1,137.428 244.1,137.822 244.378,138.1 247.5,138.1 v2@247.55,138.05 ; R121.1@246.75,140 246.889,140 247.55,139.339 v2@247.55,138.05 ; v2(247.373,138.026) v2@247.55,137.849 ; v2@247.55,137.849 247.6,137.899 247.6,138 v2@247.55,138.05 ; v2@247.55,137.849 v2@247.55,138.05
CONTROL_103: R122.1 RL122.3 U8.14 | length 48.3
  Top Layer w0.2: v2(246.8,138.9) 247,138.9 247,138.643 246.673,138.316 246.673,137.736 247.8,136.61 247.8,135.192 247.55,134.942 247.55,133.658 248.458,132.75 250.15,132.75 250.5,133.1 v2(250.699,133.1) ; v2(272.2,138.2) 274.1,136.3 RL122.3@274.1,134.3
  Bottom Layer w0.2: U8.14@240.25,137.625 243.338,137.625 244.213,138.5 246.8,138.5 247,138.7 247,138.9 v2(246.8,138.9) ; v2(250.699,133.1) 254.05,133.1 256.8,135.85 272.55,135.85 RL122.3@274.1,134.3 ; R122.1@271.75,139 271.75,138.65 v2(272.2,138.2)
CONTROL_104: R123.1 RL123.3 U8.15 | length 56.6
  Bottom Layer w0.2: U8.15@245.95,137.625 246.784,137.625 247.11,137.3 247.637,137.3 247.787,137.45 290.447,137.45 293.597,134.3 293.9,134.3 ; R123.1@294,136.25 294,134.4 293.9,134.3 ; RL123.3@299.1,134.3 293.9,134.3
CONTROL_105: R124.1 RL124.3 U8.16 | length 84.9
  Bottom Layer w0.2: U8.16@245.95,136.975 246.869,136.975 246.944,136.9 247.803,136.9 247.953,137.05 290.281,137.05 295.531,131.8 319,131.8 ; R124.1@319,135.25 319,132.2 319,131.8 ; RL124.3@324.1,134.3 321.6,131.8 319,131.8
CONTROL_106: R125.1 RL125.3 U8.17 | length 110.6
  Bottom Layer w0.2: U8.17@245.95,136.325 245.975,136.3 246.585,136.3 246.785,136.5 247.968,136.5 248.119,136.65 290.116,136.65 295.366,131.4 344.1,131.4 ; R125.1@344,135.25 344,131.5 344.1,131.4 ; RL125.3@349.1,134.3 346.2,131.4 344.1,131.4
CONTROL_107: R126.1 RL126.3 U8.18 | length 136.3
  Bottom Layer w0.2: U8.18@245.95,135.675 246.526,135.675 246.951,136.1 248.134,136.1 248.284,136.25 289.95,136.25 295.2,131 369.2,131 ; R126.1@369,135.25 369,131.2 369.2,131 ; RL126.3@374.1,134.3 370.8,131 369.2,131
CONTROL_108: R91.1 RL91.3 U8.19 | length 178.7
  Top Layer w0.2: v2(246.703,125.103) 246.7,125.1 246.9,124.9 247.5,125.5 247.589,125.5 248.189,126.1 250.089,126.1 251.85,127.861 251.85,130.139 251,130.989 251,131.6 v2(250.899,131.6)
  Bottom Layer w0.2: R91.1@94,119.25 98.65,119.25 RL91.3@99.1,118.8 102.25,121.95 117.576,121.95 118.426,121.1 119.574,121.1 120.424,121.95 ; 122.8,121.95 120.424,121.95 ; U8.19@245.95,135.025 246.769,135.025 247.55,134.244 247.55,133.658 248.458,132.75 249.74,132.75 250.55,131.94 250.55,131.817 250.767,131.6 v2(250.899,131.6) ; v2(246.703,125.103) 246.7,125.1 v2@246.9,124.9 ; v2@246.75,125.25 244.671,125.25 244.371,125.55 240.014,125.55 239.714,125.25 237.54,125.25 237.39,125.4 234.913,125.4 234.013,126.3 232.532,126.3 230.682,124.45 226.5,124.45 225.5,125.45 223.458,125.45 220.708,122.7 214.387,122.7 214.087,123 212.513,123 211.463,121.95 144.506,121.95 144.456,122 120.474,122 120.424,121.95
CONTROL_109: R92.1 RL92.3 U8.20 | length 151.8
  Top Layer w0.2: v2(247,124.1) 247,124.345 248.354,125.7 250.255,125.7 252.25,127.695 252.25,131.239 251.139,132.35 249.908,132.35 249.25,132.35 v2@248.9,132
  Bottom Layer w0.2: R92.1@119,120.25 122.65,120.25 RL92.3@124.1,118.8 126.9,121.6 144.29,121.6 144.34,121.55 211.629,121.55 212.679,122.6 213.921,122.6 214.321,122.2 225.569,122.2 227.419,124.05 230.847,124.05 232.697,125.9 233.848,125.9 234.748,125 237.224,125 237.374,124.85 237.516,124.85 238.266,124.1 238.328,124.1 238.378,124.05 239.695,124.05 240.795,125.15 241.665,125.15 241.715,125.1 242,125.1 ; 242,125.15 244.205,125.15 244.505,124.85 245.967,124.85 246.717,124.1 v2(247,124.1) ; U8.20@245.95,134.375 246.647,134.375 247.15,133.872 247.15,133.492 248.292,132.35 v2@248.75,132.35
  other v2: 248.85,132.05
CONTROL_110: R93.1 RL93.3 U8.21 | length 126.1
  Top Layer w0.2: 245.9,124.595 245.9,123.4 v2@246.7,122.6 ; 246.003,124.698 246.003,125.393 246.413,125.803 246.935,125.803 247.031,125.9 247.423,125.9 248.023,126.5 249.923,126.5 251.45,128.027 251.45,129.973 249.85,131.574 v2(249.85,131.65) ; v2(246.66,122.64) v2@246.7,122.6
  Bottom Layer w0.2: R93.1@144,118.25 144.55,118.8 RL93.3@149.1,118.8 151.45,121.15 211.794,121.15 212.844,122.2 213.756,122.2 214.156,121.8 225.734,121.8 227.584,123.65 231.013,123.65 231.813,124.45 233.035,124.45 233.285,124.2 236.893,124.2 237.043,124.05 237.184,124.05 237.934,123.3 237.997,123.3 238.047,123.25 238.756,123.25 239.406,122.6 242.849,122.6 243.199,122.95 244.134,122.95 244.584,123.4 245.899,123.4 v2(246.66,122.64) ; U8.21@245.65,133.725 246.517,133.725 246.75,133.492 246.75,133.327 248.1,131.977 248.1,131.79 248.2,131.69 248.2,131.609 248.459,131.35 v2@249.65,131.35
CONTROL_111: R94.1 RL94.3 U8.22 | length 96.9
  Top Layer w0.2: v3(245.7,122.7) 245.6,122.7 245.22,123.08 245.22,124.654 245.603,125.038 245.603,125.559 246.248,126.203 246.769,126.203 246.866,126.3 247.257,126.3 248.007,127.05 249.908,127.05 251.05,128.192 251.05,129.808 249.908,130.95 249.56,130.95 249.51,131 248.91,131 248.51,131.4 247.9,131.4 247.6,131.7 247.589,131.689 v3(247.411,131.689)
  Bottom Layer w0.2: R94.1@170.75,119 173.9,119 RL94.3@174.1,118.8 176.05,120.75 211.96,120.75 213.01,121.8 213.59,121.8 213.99,121.4 225.9,121.4 227.75,123.25 231.179,123.25 231.979,124.05 232.869,124.05 233.119,123.8 236.727,123.8 236.877,123.65 237.019,123.65 237.769,122.9 237.831,122.9 237.881,122.85 238.59,122.85 239.24,122.2 243.014,122.2 243.364,122.55 244.3,122.55 244.45,122.7 v3(245.7,122.7) ; U8.22@245.65,133.075 246.436,133.075 247.411,132.1 v3(247.411,131.689)
CONTROL_112: R95.1 RL95.3 U7.7 | length 55.7
  Top Layer w0.2: v2(235.3,120) 235.65,120.35 237.442,120.35 238.862,118.93 239.09,118.93 240.52,117.5 243.878,117.5 244.178,117.8 v2(247.4,117.8)
  Bottom Layer w0.2: R95.1@195.75,119 198.9,119 RL95.3@199.1,118.8 200.65,120.35 228.684,120.35 229.034,120 230.506,120 230.856,120.35 233.95,120.35 234.3,120 v2(235.3,120) ; U7.7@245.95,117.825 247.375,117.825 v2(247.4,117.8)
CONTROL_113: R96.1 RL96.3 U7.8 | length 32.9
  Bottom Layer w0.2: R96.1@220.75,119 223.9,119 RL96.3@224.1,118.8 227.85,115.05 237.442,115.05 238.35,114.142 238.35,113.1 239.05,112.4 244.2,112.4 244.7,112.9 244.7,116.9 244.975,117.175 U7.8@245.95,117.175
CONTROL_114: R127.1 RL127.3 U7.9 | length 6.8
  Bottom Layer w0.2: U7.9@245.95,116.525 246.825,116.525 247.4,117.1 247.69,117.1 248.1,117.51 248.1,117.8 RL127.3@249.1,118.8 250.55,120.25 R127.1@251,120.25
CONTROL_115: R128.1 RL128.3 U7.10 | length 35.6
  Bottom Layer w0.2: U7.10@245.95,115.875 246.875,115.875 247.7,116.7 252.577,116.7 257.027,121.15 262.773,121.15 267.223,116.7 269.1,116.7 ; R128.1@269,119.25 269,116.8 269.1,116.7 ; RL128.3@274.1,118.8 272,116.7 269.1,116.7
CONTROL_116: R129.1 RL129.3 U7.11 | length 61.3
  Bottom Layer w0.2: U7.11@245.95,115.225 246.791,115.225 247.866,116.3 252.742,116.3 257.192,120.75 262.608,120.75 267.058,116.3 ; 267.1,116.3 267.058,116.3 ; R129.1@294,119.25 294,116.3 ; RL129.3@299.1,118.8 296.6,116.3 294,116.3 ; 267.058,116.3 294,116.3
CONTROL_117: R130.1 RL130.3 U7.12 | length 84.2
  Bottom Layer w0.2: U7.12@245.95,114.575 246.706,114.575 248.031,115.9 255.38,115.9 256.53,117.05 265.713,117.05 266.863,115.9 318.9,115.9 ; R130.1@319,119.25 319,116 318.9,115.9 ; RL130.3@324.1,118.8 321.2,115.9 318.9,115.9
CONTROL_118: R131.1 RL131.3 U7.13 | length 109.9
  Bottom Layer w0.2: U7.13@245.95,113.925 246.725,113.925 248.3,115.5 255.545,115.5 256.695,116.65 265.547,116.65 266.697,115.5 344,115.5 ; R131.1@344,119.25 344,115.5 ; RL131.3@349.1,118.8 345.8,115.5 344,115.5
CONTROL_119: R132.1 RL132.3 U7.14 | length 135.6
  Bottom Layer w0.2: U7.14@245.95,113.275 246.647,113.275 247.1,113.728 247.1,113.734 248.466,115.1 255.711,115.1 256.861,116.25 265.381,116.25 266.531,115.1 369.1,115.1 ; R132.1@369,119.25 369,115.2 369.1,115.1 ; RL132.3@374.1,118.8 370.4,115.1 369.1,115.1
CONTROL_120: R97.1 RL97.3 U7.15 | length 165.9
  Top Layer w0.2: v2(244,113.2) 244,110.599 v2(245.2,109.4)
  Bottom Layer w0.2: R97.1@94,103.25 99.05,103.25 RL97.3@99.1,103.3 102.3,100.1 215.61,100.1 215.81,100.3 217.237,100.3 218.237,101.3 226.237,101.3 231.837,106.9 244.3,106.9 245,107.6 245,109.2 v2(245.2,109.4) ; U7.15@240.25,113.275 240.725,112.8 243.8,112.8 244,113 v2(244,113.2)
CONTROL_121: R98.1 RL98.3 U7.16 | length 137.8
  Top Layer w0.2: v2@242.6,107.9 v2(242.8,107.9) ; v2@242.6,107.9 242.7,108 242.7,109.7 243,110 v2(243,113.6)
  Bottom Layer w0.2: R98.1@119,104.25 123.15,104.25 RL98.3@124.1,103.3 126.9,100.5 215.444,100.5 215.644,100.7 217.071,100.7 218.072,101.7 226.072,101.7 231.672,107.3 242,107.3 v2@242.6,107.9 ; U7.16@240.25,113.925 240.947,113.925 241.672,113.2 242.8,113.2 243,113.4 v2(243,113.6) ; v2@242.6,107.9 v2(242.8,107.9)
CONTROL_122: R99.1 RL99.3 U7.17 | length 106.8
  Top Layer w0.2: v2(238.8,109) 239.3,109.5 239.3,114.199 v2(238.8,114.7)
  Bottom Layer w0.2: R99.1@144,103.25 149.05,103.25 RL99.3@149.1,103.3 151.5,100.9 215.278,100.9 215.478,101.1 216.906,101.1 220.806,105 228.24,105 231.34,108.1 237.9,108.1 v2(238.8,109) ; v2@238.8,114.7 238.925,114.575 U7.17@240.25,114.575
CONTROL_123: R100.1 RL100.3 U7.18 | length 82.8
  Top Layer w0.2: v2(237.8,109.1) 238.9,110.2 238.9,113.609 238.034,114.476 v2(238.034,115.448)
  Bottom Layer w0.2: R100.1@169,104.25 173.15,104.25 RL100.3@174.1,103.3 176.1,101.3 215.113,101.3 215.313,101.5 216.74,101.5 220.64,105.4 228.075,105.4 231.175,108.5 237.2,108.5 v2(237.8,109.1) ; v2(238.034,115.448) 238.085,115.5 238.51,115.5 238.61,115.4 239.189,115.4 239.364,115.225 U7.18@240.25,115.225
CONTROL_124: R101.1 RL101.3 U7.19 | length 59.5
  Top Layer w0.2: v2(236.5,109.2) 237.4,108.3 239.1,108.3 239.7,108.9 239.7,115.3 v2(238.9,116.1)
  Bottom Layer w0.2: R101.1@194,104.25 194.95,103.3 RL101.3@199.1,103.3 200.7,101.7 214.947,101.7 215.147,101.9 216.575,101.9 220.475,105.8 227.909,105.8 231.009,108.9 236.2,108.9 v2(236.5,109.2) ; v2(238.9,116.1) 239.125,115.875 U7.19@240.25,115.875
CONTROL_125: R102.1 RL102.3 U7.20 | length 40.5
  Top Layer w0.2: v2(222.9,106.6) 224.1,105.4 RL102.3@224.1,103.3 ; v2(237.9,116.5) 238.31,116.5 238.61,116.8 239.19,116.8 240.1,115.89 v2(240.1,108)
  Bottom Layer w0.2: R102.1@218,105.25 219.359,105.25 220.309,106.2 222.5,106.2 v2(222.9,106.6) ; RL102.3@224.1,103.3 227.106,103.3 231.506,107.7 240,107.7 240.1,107.8 v2(240.1,108) ; v2(237.9,116.5) 238.3,116.5 238.6,116.8 239.19,116.8 239.465,116.525 U7.20@240.25,116.525
CONTROL_126: R133.1 RL133.3 U7.21 | length 26.6
  Top Layer w0.2: v2(238.116,117.5) 239.056,117.5 241.256,115.3 242.8,115.3 243.1,115 243.1,114.489 243.689,113.9 244.29,113.9 245.9,112.29 245.9,106.5 RL133.3@249.1,103.3
  Bottom Layer w0.2: v2(238.116,117.5) 238.116,117.284 238.2,117.2 240.225,117.2 U7.21@240.25,117.175 ; R133.1@245.75,104 248.4,104 RL133.3@249.1,103.3
CONTROL_127: R134.1 RL134.3 U7.22 | length 47.5
  Top Layer w0.2: v2(238.8,118.23) 238.891,118.23 240.721,116.4 244,116.4 244.7,115.7 244.7,114.056 246.3,112.456 246.3,109.6 246.5,109.4 v2(246.7,109.4)
  Bottom Layer w0.2: v2(238.8,118.23) 238.8,118 238.975,117.825 U7.22@240.25,117.825 ; v2(246.7,109.4) 246.7,108.608 248.458,106.85 266.913,106.85 269.381,104.381 ; R134.1@270,105.25 270,105 269.381,104.381 ; RL134.3@274.1,103.3 270.463,103.3 269.381,104.381
CONTROL_128: R135.1 RL135.3 U9.7 | length 125.4
  Top Layer w0.2: v3@213.1,79.5 213.326,79.726 213.652,79.4 214.96,79.4 215.6,80.04 215.6,81.28 215.18,81.7 215.18,89.514 214.03,90.664 214.03,94.336 215.18,95.486 215.18,95.98 v2(216.38,97.18) ; v2(297.55,106.9) 299.1,105.35 RL135.3@299.1,103.3
  Bottom Layer w0.2: v3(213.1,79.5) 213.2,79.4 215.014,79.4 215.114,79.5 216.575,79.5 217.1,78.975 U9.7@219.75,78.975 ; v2(216.38,97.18) 218.9,99.7 226.9,99.7 232.5,105.3 245.049,105.3 245.099,105.25 266.25,105.25 271,100.5 277.6,100.5 282.4,105.3 296.463,105.3 296.763,105 297.4,105 RL135.3@299.1,103.3 ; R135.1@296.75,108 297.7,107.05 v2(297.55,106.9)
CONTROL_129: R136.1 RL136.3 U9.8 | length 150.3
  Top Layer w0.2: v3(213.7,80.2) 213.8,80.1 213.9,80.1 213.951,80.151 214,80.151 214.351,79.8 214.794,79.8 215.2,80.205 215.2,81.115 214.78,81.534 214.78,89.348 213.63,90.498 213.63,94.502 214.78,95.652 214.78,97.18 v2(215.2,97.6) ; v2(322.5,107) 324.1,105.4 RL136.3@324.1,103.3
  Bottom Layer w0.2: v3(213.7,80.2) 214.1,79.8 214.848,79.8 214.948,79.9 216.741,79.9 217.016,79.625 U9.8@219.75,79.625 ; v2(215.2,97.6) 215.81,97.6 216.09,97.88 216.514,97.88 218.734,100.1 226.734,100.1 232.334,105.7 245.214,105.7 245.264,105.65 266.416,105.65 271.166,100.9 277.434,100.9 282.234,105.7 296.629,105.7 296.929,105.4 298.171,105.4 298.471,105.7 321.679,105.7 324.079,103.3 RL136.3@324.1,103.3 ; R136.1@321.75,108 321.75,107.65 322.5,106.9 v2(322.5,107)
CONTROL_130: R137.1 RL137.3 U9.9 | length 173.4
  Top Layer w0.2: v3(214.573,80.427) 214.6,80.4 v3@214.6,80.6 ; v3@214.6,80.6 214.474,80.726 214.5,80.751 214.5,81.249 214.38,81.369 214.38,89.183 213.23,90.333 213.23,94.667 214.38,95.817 214.38,97.77 214.91,98.3 215.26,98.3 v2(215.58,98.62) ; v2(347.5,106.7) 347.5,104.9 RL137.3@349.1,103.3
  Bottom Layer w0.2: v3(214.573,80.427) 214.6,80.4 214.975,80.775 218.259,80.775 218.759,80.275 U9.9@219.75,80.275 ; v2(215.58,98.62) 216.689,98.62 218.569,100.5 226.569,100.5 232.169,106.1 245.38,106.1 245.43,106.05 266.581,106.05 271.331,101.3 277.269,101.3 282.069,106.1 296.794,106.1 297.094,105.8 298.006,105.8 298.306,106.1 321.844,106.1 322.044,105.9 322.956,105.9 323.156,106.1 346.3,106.1 RL137.3@349.1,103.3 ; R137.1@346.75,108 346.75,107.45 v2(347.5,106.7)
CONTROL_131: R138.1 RL138.3 U9.10 | length 194
  Top Layer w0.2: v3(213.9,81) 214,80.9 213.98,80.92 213.98,89.017 212.83,90.167 212.83,94.833 213.98,95.983 213.98,98.01 215.29,99.32 215.82,99.32 v2(216.1,99.6)
  Bottom Layer w0.2: v3(213.9,81) 214.075,81.175 218.425,81.175 218.675,80.925 U9.10@219.75,80.925 ; v2(216.1,99.6) 217.103,99.6 218.403,100.9 226.403,100.9 232.003,106.5 245.546,106.5 245.596,106.45 266.747,106.45 271.497,101.7 277.103,101.7 281.903,106.5 296.96,106.5 297.26,106.2 297.84,106.2 298.14,106.5 322.01,106.5 322.21,106.3 322.79,106.3 322.99,106.5 346.71,106.5 347.21,106 347.79,106 348.29,106.5 367.75,106.5 R138.1@369,105.25 370.95,103.3 RL138.3@374.1,103.3
CONTROL_132: R103.1 RL103.3 U9.11 | length 128.6
  Bottom Layer w0.2: R103.1@94,88.25 94.45,87.8 RL103.3@99.1,87.8 105.1,81.8 200.746,81.8 200.971,81.575 213.626,81.575 213.651,81.6 214.149,81.6 214.174,81.575 214.985,81.575 215.01,81.6 219.725,81.6 U9.11@219.75,81.575
CONTROL_133: R104.1 RL104.3 U9.12 | length 103.2
  Bottom Layer w0.2: R104.1@119,88.25 123.65,88.25 RL104.3@124.1,87.8 129.675,82.225 U9.12@219.75,82.225
CONTROL_134: R105.1 RL105.3 U9.13 | length 78
  Bottom Layer w0.2: R105.1@144,88.25 148.65,88.25 RL105.3@149.1,87.8 154.025,82.875 U9.13@219.75,82.875
CONTROL_135: R106.1 RL106.3 U9.14 | length 52.7
  Bottom Layer w0.2: R106.1@169,88.25 173.65,88.25 RL106.3@174.1,87.8 178.375,83.525 U9.14@219.75,83.525
CONTROL_136: R107.1 RL107.3 U9.15 | length 33.4
  Bottom Layer w0.2: R107.1@194,88.25 198.65,88.25 RL107.3@199.1,87.8 202.9,84 220.622,84 221.097,83.525 U9.15@225.45,83.525
CONTROL_137: R108.1 RL108.3 U9.16 | length 12.3
  Bottom Layer w0.2: R108.1@219,88.25 223.65,88.25 RL108.3@224.1,87.8 226.6,85.3 226.6,83.1 226.375,82.875 U9.16@225.45,82.875